# Altium PCB Gateway.PcbDoc (part 2 of 2)
Units mm, origin at the board's own origin, x right, y up, seen from the top; angles counter-clockwise.
Board outline 102.62 x 76.07 mm, 2 copper layers (Top Layer, Bottom Layer); 111 components, 97 nets, 483 pads, 101 vias.
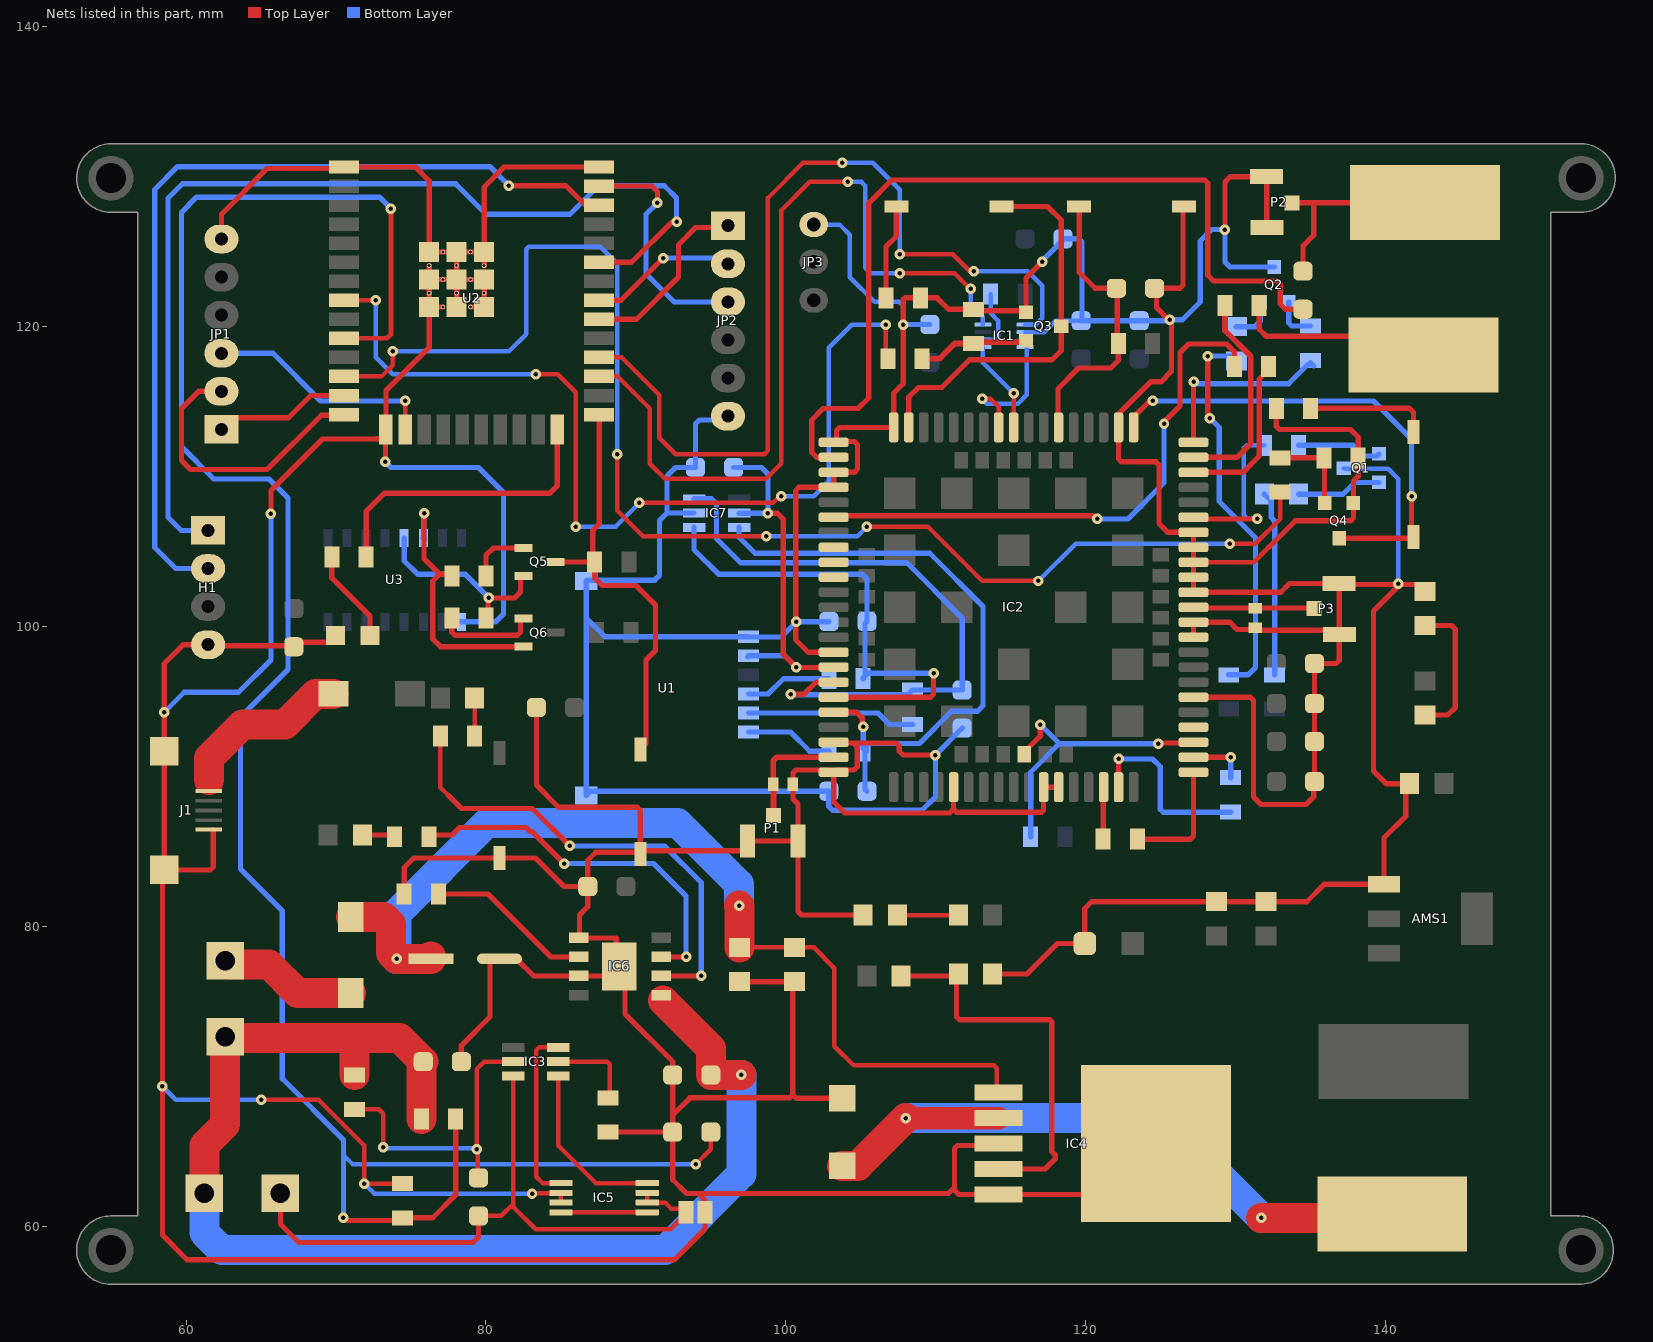
[diagram p2: the nets of this part, all layers, seen from the top]

## Via types
v1: diameter 0.7, hole 0.3, Top Layer to Bottom Layer, 101 vias

## Nets (pads, with @x,y where several pads share a name; then routed paths per layer and width w, separated by ;. In a path a pad name is that pad's centre, name@x,y a point inside that pad or via, vN(x,y) a via of type N, cw(c..) or ccw(c..) an arc to the next point about the centre after c; other vN are vias at no path point) (continued)
GND: AMS1.1 BOOT1.2 C1.1 C2.1 C3.1 C4.1 C5.1 C6.1 C7.1 C9.1 C10.2 C11.2 C12.2 C13.2 C14.2 C15.2 C16.2 C18.1 C19.1 C20.1 C24.1 C25.1 C26.2 C27.2 C28.2 C29.1 C30.1 C31.1 D3.1 EN1.2 H1.4 IC1.2 IC2.2 IC2.17 IC2.18 IC2.29 IC2.39 IC2.45 IC2.46 IC2.54 IC2.58 IC2.59 IC2.61 IC2.62 IC2.63 IC2.64 IC2.65 IC2.89 IC2.91 IC2.92 IC2.94 IC4.3 IC4.5 IC4.6 IC5.6 IC5.7 IC6.1 IC6.3 IC7.2 J1.5 J3.2 JP1.6 JP2.6 JP3.3 L.2 LED1.2 P1.2 P1.3 P2.2 P2.3 P3.2 P3.3 PW1.2 PW2.2 Q1.2 Q2.2 Q3.1 Q4.1 R11.1 R12.1 R13.1 R14.1 R26.1 R27.2 R29.1 R33.2 SW2.2 U1.5 U1.8 U2.1 U2.15 U2.38 U2.39_1 U2.39_2 U2.39_3 U2.39_4 U2.39_5 U2.39_6 U2.39_7 U2.39_8 U2.39_9 U2.39_10 U2.39_11 U2.39_12 U2.39_13 U2.39_14 U2.39_15 U2.39_16 U2.39_17 U2.39_18 U2.39_19 U2.39_20 U2.39_21 U3.1 | length 814.3
  Top Layer w0.3: v1(65.024,68.453) 68.834,68.453 71.882,65.405 v1(71.882,62.865) R29.1@74.422,62.865 ; v1(83.071,62.195) 83.096,62.22 84.979,62.22 IC5.6@85.004,62.245 IC5.7@85.004,61.595 ; IC2.63@127.19,104.296 131.207,104.296 132.207,105.296
  Top Layer w0.35: J1.5@58.848,83.781 61.611,83.781 61.816,83.986 J1.5@61.816,86.461 ; JP1.6@62.357,125.857 62.859,125.857 62.357,126.359 62.357,127.508 65.405,130.556 70.443,130.556 U2.1@70.548,130.661 75.293,130.661 76.213,129.742 U2.39_1@76.213,124.996 U2.39_10@77.131,124.996 U2.39_2@78.048,124.996 ; v1(65.659,107.542) 65.659,109.093 69.088,112.522 72.704,112.522 72.711,112.53 73.058,112.53 U2.15@73.306,112.778 ; LED1.2@69.977,99.428 69.517,98.968 67.487,98.968 C14.2@67.183,98.664 67.112,98.735 61.539,98.735 H1.4@61.468,98.806 59.817,98.806 58.547,97.536 v1(58.547,94.296) J1.5@58.547,91.694 J1.5@58.547,83.794 58.42,83.667 v1(58.42,69.342) 58.42,59.436 60.071,57.785 92.568,57.785 94.615,59.832 J3.2@94.615,60.945 94.615,61.749 94.169,62.195 ; v1(73.279,110.998) 73.306,111.025 U2.15@73.306,112.778 ; R33.2@74.549,82.169 74.549,83.947 75.184,84.582 EN1.2@80.899,84.582 83.312,84.582 85.217,82.677 C28.2@86.79,82.677 ; U2.39_12@76.213,124.079 U2.39_4@76.213,123.161 ; U2.39_20@77.131,121.326 U2.39_7@76.213,121.326 ; U2.39_8@78.048,121.326 U2.39_18@78.048,122.244 U2.39_5@78.048,123.161 ; C18.1@78.359,70.993 78.359,72.078 80.264,73.983 80.264,77.671 80.084,77.851 C16.2@80.899,77.851 82.049,77.851 83.192,76.708 IC6.3@86.175,76.708 88.265,76.708 IC6.3@88.9,77.343 ; U2.39_21@78.966,121.326 U2.39_9@79.883,121.326 U2.39_19@79.883,122.244 U2.39_6@79.883,123.161 U2.39_16@78.966,123.161 U2.39_5@78.048,123.161 ; U2.39_14@79.883,124.079 U2.39_3@79.883,124.996 ; C13.2@83.363,94.615 83.363,89.437 84.836,87.964 90.092,87.964 90.297,87.759 BOOT1.2@90.297,84.826 ; U2.38@87.548,130.661 81.215,130.661 79.883,129.33 U2.39_3@79.883,124.996 ; R27.2@88.138,66.294 C24.1@92.456,66.294 ; C19.1@96.901,76.327 C20.1@100.584,76.327 100.457,76.2 100.457,68.798 ; 102.551,62.195 94.169,62.195 ; 102.581,62.195 110.836,62.195 111.252,62.611 ; IC2.92@103.19,92.296 103.237,92.249 104.521,92.249 ; IC2.29@103.19,98.296 101.473,98.296 100.658,99.111 100.658,109.091 100.863,109.296 IC2.18@103.19,109.296 IC2.91@103.19,110.296 104.57,110.296 104.775,110.501 104.775,112.141 104.57,112.346 103.47,112.346 103.378,112.439 103.378,113.079 103.583,113.284 107.178,113.284 IC2.17@107.19,113.296 107.19,115.572 107.823,116.205 v1(107.823,120.145) 107.823,121.817 107.941,121.935 R13.1@108.966,121.935 110.094,121.935 110.856,121.173 R11.1@112.522,121.173 112.619,121.077 115.918,121.077 Q3.1@116.015,120.98 116.015,123.254 v1(117.094,124.333) ; D3.1@103.759,68.544 100.711,68.544 100.457,68.798 ; PW1.2@105.156,80.772 101.046,80.772 100.818,80.999 P1.2@100.818,85.722 ; v1(109.982,91.44) 107.827,91.44 107.569,91.698 107.569,92.044 107.364,92.249 104.521,92.249 ; IC2.39@111.19,89.296 111.19,87.835 ; R26.1@113.792,76.835 116.075,76.835 118.107,78.867 C15.2@119.939,78.867 119.939,81.204 120.396,81.661 C25.1@128.736,81.661 C26.2@132.038,81.661 134.747,81.661 135.904,82.818 AMS1.1@139.902,82.818 139.902,85.927 141.351,87.376 141.351,89.281 C27.2@141.605,89.535 140.034,89.535 139.192,90.377 139.192,101.044 v1@140.931,102.782 ; IC4.3@114.19,65.532 114.063,65.405 111.457,65.405 111.252,65.2 111.252,62.611 ; IC2.46@118.19,89.296 IC2.45@117.19,89.296 117.19,87.771 117.049,87.63 111.395,87.63 111.19,87.835 ; IC4.6@124.69,65.532 121.29,62.132 IC4.5@114.19,62.132 111.535,62.132 111.252,62.415 111.252,62.611 ; v1@125.563,120.436 124.714,121.285 124.714,122.443 C9.1@124.587,122.57 126.287,122.57 126.492,122.775 126.492,127.96 SW2.2@126.563,128.031 ; v1@125.73,120.269 125.73,117.045 125.017,116.332 124.333,116.332 122.19,114.189 IC2.2@122.19,113.296 122.19,111.203 122.395,110.998 124.683,110.998 124.888,110.793 124.888,106.887 125.479,106.296 IC2.65@127.19,106.296 IC2.64@127.19,105.296 IC2.63@127.19,104.296 IC2.62@127.19,103.296 IC2.61@127.19,102.296 133.013,102.296 133.594,102.877 P3.2@136.908,102.877 P3.2@136.913,102.872 ; IC2.54@127.19,95.296 130.986,95.296 131.191,95.091 131.191,88.646 131.699,88.138 134.695,88.138 135.203,88.646 135.203,89.625 C5.1@135.255,89.677 C4.1@135.255,92.344 C2.1@135.255,94.884 C3.1@135.255,97.551 136.708,97.551 136.913,97.756 P3.3@136.913,99.489 ; IC2.58@127.19,99.296 IC2.59@127.19,100.296 129.618,100.296 130.092,99.822 131.206,99.822 L.2@131.318,99.934 131.493,99.759 136.643,99.759 P3.3@136.913,99.489 ; v1(129.286,126.492) 129.286,129.667 129.634,130.015 P2.3@132.072,130.015 132.072,126.632 P2.2@132.077,126.627 ; 132.207,105.296 133.972,107.061 137.651,107.061 137.856,107.266 Q4.1@137.856,108.251 137.856,109.723 138.176,110.044 R12.1@138.176,111.267 138.176,112.649 137.668,113.157 132.92,113.157 132.715,113.362 R14.1@132.715,114.569 ; v1@140.843,102.822 136.963,102.822 P3.2@136.913,102.872 ; v1@140.97,102.822 142.161,102.822 PW2.2@142.621,102.362 ; U2.15@73.306,112.778 73.333,112.805 U2.15@73.333,113.151 73.333,115.751 76.213,118.631 U2.39_7@76.213,121.326 ; U2.39_7@76.213,121.326 U2.39_17@76.213,122.244 U2.39_4@76.213,123.161 ; U2.39_4@76.213,123.161 U2.39_15@77.131,123.161 U2.39_5@78.048,123.161 ; U2.39_5@78.048,123.161 U2.39_13@78.048,124.079 U2.39_2@78.048,124.996 ; U2.39_2@78.048,124.996 U2.39_11@78.966,124.996 U2.39_3@79.883,124.996 ; C28.2@86.79,82.677 86.79,84.426 87.327,84.963 90.16,84.963 BOOT1.2@90.297,84.826 ; C28.2@86.79,82.677 86.79,81.329 86.233,80.772 86.233,79.306 IC6.1@86.175,79.248 88.695,79.248 88.695,77.548 IC6.3@88.9,77.343 ; IC6.3@88.9,77.343 89.281,76.962 89.281,74.168 92.456,70.993 C29.1@92.456,70.104 92.456,67.437 ; BOOT1.2@90.297,84.826 90.522,85.051 97.106,85.051 97.431,85.376 P1.3@97.431,85.717 100.813,85.717 P1.2@100.818,85.722 ; C24.1@92.456,66.294 92.456,67.437 ; C24.1@92.456,66.294 92.456,63.119 93.38,62.195 94.169,62.195 ; 92.456,67.437 93.599,68.58 100.239,68.58 100.457,68.798 ; P1.2@100.818,85.722 100.818,88.167 100.472,88.513 L.2@100.472,89.488 100.472,90.233 100.677,90.438 102.78,90.438 103.056,90.162 IC2.94@103.19,90.296 ; IC2.94@103.19,90.296 103.19,88.326 103.935,87.581 110.936,87.581 111.19,87.835 ; IC2.94@103.19,90.296 103.333,90.438 104.535,90.438 104.757,90.66 104.757,92.013 104.521,92.249 ; P3.3@136.913,99.489 P3.2@136.913,102.872
  Bottom Layer w0.3: v1(58.42,69.342) 59.309,68.453 v1(65.024,68.453) ; v1(71.882,62.865) 72.552,62.195 v1(83.071,62.195) ; JP3.3@101.854,126.826 103.585,126.826 104.267,126.144 104.267,123.317 105.918,121.666 107.569,121.666 107.823,121.412 v1(107.823,120.145) ; IC1.2@115.959,119.645 117.232,119.645 117.998,120.411 C31.1@119.697,120.411 ; Q1.2@137.213,110.575 137.262,110.526 140.172,110.526 140.843,109.855 v1(140.843,102.87)
  Bottom Layer w0.35: v1(58.547,94.296) 59.882,95.631 63.5,95.631 65.659,97.79 v1(65.659,107.542) ; v1(73.279,110.998) 73.66,110.617 79.496,110.617 81.168,108.945 81.168,100.853 80.639,100.324 U3.1@78.359,100.324 ; IC7.2@93.877,107.584 92.075,107.584 ; JP2.6@96.139,114.046 95.885,113.792 94.234,113.792 93.98,113.538 C30.1@93.98,110.617 92.649,110.617 92.075,110.043 92.075,107.584 ; C12.2@102.87,100.345 102.855,100.33 v1(100.711,100.33) 99.695,99.314 97.53,99.314 U1.5@97.514,99.33 87.938,99.33 86.684,100.584 ; v1(107.823,120.145) 107.829,120.151 109.595,120.151 C1.1@109.601,120.157 ; C10.2@111.76,93.233 111.76,93.226 109.982,91.448 v1(109.982,91.44) 109.982,88.646 109.093,87.757 103.124,87.757 102.87,88.011 C11.2@102.87,89.027 86.961,89.027 U1.8@86.684,88.75 86.684,100.584 ; v1(117.094,124.333) 117.094,124.404 118.491,125.801 C6.1@118.491,125.872 119.556,125.872 119.761,125.667 119.761,120.475 C31.1@119.697,120.411 C7.1@123.571,120.411 125.539,120.411 v1(125.603,120.475) 126.444,120.475 127.635,121.666 127.635,125.73 128.397,126.492 v1(129.286,126.492) 129.286,124.316 129.618,123.984 Q2.2@132.588,123.984 ; 86.684,100.584 U1.8@86.684,103.05 86.741,103.107 91.252,103.107 91.567,103.422 91.567,107.076 92.075,107.584
IO2: R20.1 U2.24 | length 20.2
  Top Layer w0.35: R20.1@72.009,104.648 72.009,107.696 73.209,108.896 84.231,108.896 84.763,109.428 U2.24@84.763,113.151
IO_0: BOOT1.1 Q5.3 R18.2 U2.25 | length 28.9
  Top Layer w0.35: Q5.3@84.633,104.318 R18.2@87.249,104.318 ; U2.25@87.548,114.151 87.548,106.852 87.122,106.426 87.122,104.445 R18.2@87.249,104.318 ; BOOT1.1@90.114,92.009 BOOT1.1@90.297,91.826 90.678,92.207 90.678,97.79 91.313,98.425 91.313,101.444 90.014,102.743 87.757,102.743 87.249,103.251 R18.2@87.249,104.318
LOG_RX: IC2.22
LOG_TX: IC2.23
MISO: JP2.2 U2.31 | length 10.3
  Top Layer w0.35: U2.31@87.548,121.771 89.005,121.771 v1(91.821,124.587) ; JP2.2@95.868,123.935 JP2.2@96.139,124.206
  Bottom Layer w0.35: v1(91.821,124.587) 95.758,124.587 JP2.2@96.139,124.206
MISO2: JP1.2 U2.14 | length 19.2
  Top Layer w0.35: JP1.2@62.357,115.697 60.833,115.697 59.69,114.554 59.69,111.096 60.296,110.49 65.405,110.49 69.023,114.108 70.505,114.108 U2.14@70.548,114.151
MOSI: JP2.3 U2.37 | length 16.1
  Top Layer w0.35: U2.37@87.548,129.391 91.059,129.391 91.44,129.01 v1(91.44,128.27)
  Bottom Layer w0.35: v1(91.44,128.27) 90.678,127.508 90.678,123.543 92.555,121.666 JP2.3@96.139,121.666
MOSI2: JP1.3 U2.16 | length 15.5
  Top Layer w0.3: U2.16@74.603,113.151 v1(74.603,115.062)
  Top Layer w0.35: U2.16@74.603,113.151 U2.16@74.64,113.188
  Bottom Layer w0.35: JP1.3@62.357,118.237 65.786,118.237 68.961,115.062 v1(74.603,115.062)
NET: IC2.52
NetC8_1: C8.1 IC2.90 | length 58.7
  Top Layer w0.35: IC2.90@103.19,111.296 102.064,111.296 101.727,111.633 101.727,113.792 102.489,114.554 104.824,114.554 105.537,115.267 105.537,128.269 107.062,129.794 127.938,129.794 128.143,129.589 128.143,123.444 128.524,123.063 132.764,123.063 132.969,122.858 132.969,121.537 133.333,121.173 C8.1@134.493,121.173
NetC8_2: C8.2 L1.1 P2.1 | length 13.7
  Top Layer w0.35: P2.1@133.765,128.275 135.22,128.275 ; C8.2@134.493,123.713 134.493,125.401 135.203,126.111 135.203,128.258 135.22,128.275 ; L1.1@142.621,128.285 142.611,128.275 135.22,128.275
NetC9_2: C9.2 IC2.6 R9.1 SW2.1 | length 19.6
  Top Layer w0.35: IC2.6@118.19,113.296 118.147,113.339 118.147,115.87 119.531,117.254 121.666,117.254 122.174,117.762 R9.1@122.174,118.887 122.111,118.951 122.111,122.507 C9.2@122.047,122.57 120.635,122.57 119.563,123.642 SW2.1@119.563,128.031
NetC16_1: C16.1 C19.2 C20.2 D5.2 IC4.1 | length 67.4
  Top Layer w0.3: C19.2@96.901,78.613 C20.2@100.584,78.613 100.587,78.616 101.851,78.616 103.237,77.23 103.237,72.023 104.521,70.739 113.887,70.739 114.063,70.563 114.063,69.059 IC4.1@114.19,68.932
  Top Layer w2: D5.2@70.993,80.649 73.173,80.649 73.66,80.162 73.66,78.232 v1(74.041,77.851) 76.177,77.851 76.327,78.001 C16.1@76.327,77.851 ; v1(96.877,81.407) 96.901,81.383 C19.2@96.901,78.613
  Bottom Layer w2: v1(74.041,77.851) 74.041,80.899 80.068,86.926 92.779,86.926 96.877,82.828 v1(96.877,81.407)
NetC17_1: C17.1 IC3.6 IC5.2 IC5.3 J2.2 J3.1 | length 45.2
  Top Layer w0.3: C17.1@79.502,60.706 81.026,60.706 81.836,61.516 ; IC3.6@81.836,70.043 81.836,61.516 ; IC5.3@90.764,62.245 IC5.2@90.764,61.595 91.948,61.595 92.344,61.199 93.345,61.199 J3.1@93.345,60.945 93.345,60.579 93.061,60.579 92.299,59.817 83.312,59.817 81.836,61.293 81.836,61.516
  Top Layer w0.35: J2.2@66.294,62.23 66.294,60.149 67.515,58.928 79.121,58.928 79.502,59.309 C17.1@79.502,60.706
NetC17_2: C17.2 IC3.5 R23.1 | length 20.5
  Top Layer w0.3: R23.1@71.247,67.818 72.849,67.818 73.152,67.515 v1(73.152,65.278) ; C17.2@79.502,63.246 79.438,63.309 79.438,65.087 v1(79.375,65.151) 79.375,70.485 79.883,70.993 IC3.5@81.836,70.993
  Bottom Layer w0.3: v1(73.152,65.278) 73.215,65.215 79.311,65.215 v1(79.375,65.151)
NetC24_2: C24.2 R28.1 R29.2 U2.10 | length 142.3
  Top Layer w0.3: U2.10@70.548,119.231 73.384,119.231 73.66,119.507 ; v1(93.98,64.135) 94.996,65.151 C24.2@94.996,66.294
  Top Layer w0.35: v1(70.492,60.579) 70.679,60.392 74.235,60.392 R29.2@74.422,60.579 76.454,60.579 77.978,62.103 R28.1@77.978,67.183 ; 73.66,119.507 v1(73.66,127.889)
  Bottom Layer w0.3: 70.492,64.77 71.127,64.135 v1(93.98,64.135)
  Bottom Layer w0.35: v1(70.492,60.579) 70.492,64.77 70.492,65.779 66.421,69.85 66.421,81.042 63.627,83.836 63.627,93.98 66.802,97.155 66.802,108.585 65.532,109.855 61.849,109.855 59.69,112.014 59.69,127.635 60.706,128.651 72.898,128.651 v1(73.66,127.889)
NetC30_2: C30.2 IC2.30 IC7.5 U1.1 | length 24.6
  Top Layer w0.35: v1(98.806,107.569) 99.441,107.569 99.822,107.188 99.822,98.171 v1(100.711,97.282) 100.718,97.289 103.183,97.289 IC2.30@103.19,97.296
  Bottom Layer w0.35: C30.2@96.52,110.617 98.383,110.617 98.806,110.194 v1(98.806,107.569) 98.798,107.577 96.885,107.577 IC7.5@96.877,107.584 ; U1.1@97.438,97.984 U1.1@97.514,98.06 99.933,98.06 v1(100.711,97.282)
NetD1_1: D1.1 R1.2 | length 12.3
  Bottom Layer w0.35: D1.1@131.911,108.839 132.371,108.379 132.371,107.287 132.603,107.055 R1.2@132.603,96.79
NetD1_2: D1.2 Q1.3 | length 5.7
  Bottom Layer w0.35: D1.2@134.197,108.839 137.16,108.839 137.946,109.625 Q1.3@139.563,109.625
NetD2_1: D2.1 R2.2 | length 26.1
  Top Layer w0.35: v1(128.143,118.056) 128.143,114.046 v1(128.27,113.919)
  Bottom Layer w0.35: v1(128.143,118.056) 129.721,118.056 D2.1@130.048,117.729 ; v1(128.27,113.919) 128.905,113.284 128.905,108.351 131.318,105.938 131.318,97.282 130.826,96.79 R2.2@129.54,96.79
NetD2_2: D2.2 Q2.3 | length 3
  Bottom Layer w0.35: D2.2@130.048,120.015 131.271,120.015 131.638,120.381 Q2.3@131.638,121.634
NetD3_2: D3.2 IC4.2 L2.1 | length 47.5
  Top Layer w1.5: v1(107.999,67.232) IC4.2@114.19,67.232
  Top Layer w2: D3.2@103.759,64.044 104.811,64.044 v1(107.999,67.232) ; v1(131.699,60.579) 140.206,60.579 L2.1@140.444,60.817 L2.1@140.159,61.102
  Bottom Layer w2: v1(107.999,67.232) 125.046,67.232 v1(131.699,60.579)
NetD4_1: D4.1 J1.1 | length 11.9
  Top Layer w1: D4.1@69.592,95.774 D4.1@69.846,95.52
  Top Layer w2: 61.515,89.789 61.515,91.233 63.754,93.472 66.588,93.472 68.636,95.52 D4.1@69.846,95.52
NetD5_1: D5.1 J4.2 | length 9.3
  Top Layer w2: J4.2@62.611,77.724 62.861,77.474 65.528,77.474 67.441,75.561 D5.1@70.993,75.561
NetIC1_6: IC1.6 R3.1 | length 4.2
  Bottom Layer w0.3: IC1.6@113.149,119.145 114.009,119.145 114.173,119.309 114.173,120.396 113.665,120.904 R3.1@113.665,122.189
NetIC2_20: IC2.20 R34.1 | length 37.4
  Top Layer w0.35: IC2.20@103.19,107.296 103.299,107.405 120.465,107.405 120.682,107.188 v1(120.777,107.188) ; v1(125.222,113.538) 125.222,113.665 126.287,114.73 126.287,118.286 126.865,118.864 129.383,118.864 129.921,118.326 R34.1@129.921,117.363
  Bottom Layer w0.35: v1(120.777,107.188) 122.809,107.188 125.222,109.601 v1(125.222,113.538)
NetIC2_49: IC2.49 R6.2 | length 3.5
  Top Layer w0.35: R6.2@121.158,85.833 121.174,85.849 121.174,89.28 IC2.49@121.19,89.296
NetIC2_50: IC2.50 R5.2 | length 12.5
  Top Layer w0.35: IC2.50@122.19,89.296 v1(122.19,91.186)
  Bottom Layer w0.35: v1(122.19,91.186) 124.46,91.186 124.968,90.678 124.968,87.835 125.173,87.63 129.652,87.63 R5.2@129.667,87.645
NetIC2_60: IC2.60 L.1@131.318,101.234 P3.1 | length 8.1
  Top Layer w0.35: IC2.60@127.19,101.296 127.24,101.246 135.203,101.246 P3.1@135.22,101.229
NetIC2_93: IC2.93 L.1@99.172,89.488 P1.1 | length 7.9
  Top Layer w0.381: P1.1@99.171,87.411 99.171,89.487 99.16,89.476 99.16,91.073 99.383,91.296 IC2.93@103.19,91.296 IC2.93@103.174,91.312 ; L.1@99.172,89.488 L.1@99.188,89.504
NetIC2_95: IC2.95 R6.1 | length 8.1
  Top Layer w0.35: R6.1@123.444,85.833 126.985,85.833 127.19,86.038 IC2.95@127.19,90.296
NetIC2_96: IC2.96 R5.1 | length 3.8
  Top Layer w0.35: IC2.96@127.19,91.296 v1(129.667,91.296)
  Bottom Layer w0.35: R5.1@129.667,89.931 v1(129.667,91.296)
NetIC2_97: IC2.97 IC2.116 R7.2 | length 20.2
  Top Layer w0.35: IC2.116@115.89,91.496 115.89,91.626 116.967,92.703 v1(116.967,93.472) ; v1(124.841,92.202) 124.888,92.249 127.143,92.249 IC2.97@127.19,92.296
  Bottom Layer w0.35: R7.2@116.332,85.994 116.332,90.297 118.237,92.202 ; v1(116.967,93.472) 118.237,92.202 ; v1(124.841,92.202) 118.237,92.202
NetIC2_98: IC2.98 R34.2 | length 11.1
  Top Layer w0.35: IC2.98@127.19,110.296 130.489,110.296 131.572,111.379 131.572,116.53 132.207,117.165 R34.2@132.207,117.363
NetIC2_99: IC2.99 R4.2 | length 14.1
  Top Layer w0.381: IC2.99@127.19,111.296 130.092,111.296 131.007,112.211 131.007,118.04 129.286,119.761 R4.2@129.286,121.427
NetIC3_1: IC3.1 IC5.4 | length 11.6
  Top Layer w0.3: IC3.1@84.836,70.043 84.836,65.386 87.327,62.895 IC5.4@90.764,62.895
NetIC3_2: IC3.2 R27.1 | length 5.8
  Top Layer w0.3: IC3.2@84.836,70.993 88.089,70.993 88.265,70.817 88.265,68.707 R27.1@88.138,68.58
NetIC3_3: IC3.3 IC5.5 | length 11.8
  Top Layer w0.3: IC3.3@84.836,71.943 83.539,71.943 83.363,71.767 83.363,63.306 83.774,62.895 IC5.5@85.004,62.895
NetIC4_4: IC4.4 R24.1 R26.2 | length 26.2
  Top Layer w0.35: R24.1@107.696,76.708 111.379,76.708 111.379,73.992 111.584,73.787 117.599,73.787 117.729,73.657 117.729,65.021 117.962,64.788 117.962,64.498 117.296,63.832 IC4.4@114.19,63.832
NetIC5_1: IC5.1 IC5.8 | length 5.8
  Top Layer w0.3: IC5.8@85.004,60.945 IC5.1@90.764,60.945
NetIC6_2: IC6.2 R33.1 | length 11.1
  Top Layer w0.35: R33.1@76.835,82.169 80.137,82.169 84.328,77.978 IC6.2@86.175,77.978
NetIC6_6: IC6.6 R32.2 | length 32.5
  Top Layer w0.3: R32.2@76.962,92.71 76.962,89.281 77.47,88.773
  Top Layer w0.35: R32.2@76.835,92.837 R32.2@76.962,92.71 ; 77.47,88.773 78.359,87.884 83.09,87.884 v1(85.598,85.376) ; IC6.6@91.675,76.708 v1(94.361,76.708)
  Bottom Layer w0.35: v1(85.598,85.376) 91.916,85.376 94.361,82.931 v1(94.361,76.708)
NetIC6_7: IC6.7 R31.2 | length 25
  Top Layer w0.35: R31.2@76.2,85.994 76.312,86.106 77.724,86.106 78.232,86.614 82.664,86.614 82.931,86.347 83.071,86.347 v1(85.217,84.201) ; IC6.7@91.675,77.978 v1(93.345,77.978)
  Bottom Layer w0.35: v1(85.217,84.201) 91.186,84.201 93.345,82.042 v1(93.345,77.978)
NetL1_2: L1.2 R4.1 | length 13.3
  Top Layer w0.35: R4.1@131.572,121.427 131.572,119.839 132.031,119.38 141.254,119.38 L1.2@142.525,118.109
NetLED1_1: LED1.1 R20.2 | length 6.3
  Top Layer w0.35: R20.2@69.723,104.648 69.723,103.251 72.263,100.711 LED1.1@72.263,99.428
NetLED2_2: LED2.2 R32.1 | length 2.5
  Top Layer w0.3: R32.1@79.248,92.71 LED2.2@79.248,95.25
NetLED3_2: LED3.2 R31.1 | length 2.2
  Top Layer w0.35: LED3.2@71.755,86.106 73.802,86.106 R31.1@73.914,85.994
NetPW1_1: PW1.1 R25.2 | length 4.1
  Top Layer w0.3: PW1.1@107.442,80.772 R25.2@111.506,80.772
NetPW2_1: PW2.1 R30.1 | length 9.6
  Top Layer w0.35: R30.1@142.621,94.107 144.145,94.107 144.653,94.615 144.653,99.822 144.399,100.076 PW2.1@142.621,100.076
NetQ1_1: Q1.1 R36.2 | length 5.7
  Bottom Layer w0.35: R36.2@134.197,112.099 137.844,112.099 138.557,111.386 139.424,111.386 Q1.1@139.563,111.525
NetQ2_1: Q2.1 R35.2 | length 2.9
  Bottom Layer w0.35: Q2.1@133.538,121.634 133.538,120.258 133.743,120.053 R35.2@135.001,120.053
NetQ3_3: Q3.3 R8.1 R11.2 | length 7.4
  Top Layer w0.381: R8.1@109.093,117.871 110.251,117.871 111.267,118.887 R11.2@112.522,118.887 112.618,118.984 115.919,118.984 Q3.3@116.015,119.08
NetQ4_3: Q4.3 R10.1 R12.2 | length 6
  Top Layer w0.35: R10.1@132.969,111.267 R12.2@135.89,111.267 135.923,111.234 135.923,108.284 Q4.3@135.956,108.251
NetQ5_1: Q5.1 R21.2 | length 4.1
  Top Layer w0.35: R21.2@80.01,103.378 80.01,104.775 80.493,105.258 Q5.1@82.499,105.258
NetQ5_2: Q5.2 R22.1 U3.13 | length 13.1
  Top Layer w0.35: R22.1@80.01,100.584 80.137,100.711 80.137,101.854 v1(80.2,101.917) 81.9,101.917 82.296,102.313 82.296,103.286 82.388,103.378 Q5.2@82.499,103.378
  Bottom Layer w0.35: U3.13@74.549,105.924 74.549,104.394 75.438,103.505 78.613,103.505 v1(80.2,101.917)
NetQ6_1: Q6.1 R22.2 | length 6.8
  Top Layer w0.35: R22.2@77.724,100.584 77.724,99.633 77.929,99.428 82.091,99.428 82.296,99.633 82.296,100.458 82.388,100.55 Q6.1@82.499,100.55
NetQ6_2: Q6.2 R21.1 U3.14 | length 18.1
  Top Layer w0.35: v1(75.873,107.569) 75.873,104.545 76.913,103.505 ; R21.1@77.597,103.251 R21.1@77.724,103.378 77.597,103.505 76.913,103.505 ; Q6.2@82.499,98.67 76.971,98.67 76.454,99.187 76.454,103.046 76.913,103.505
  Bottom Layer w0.35: v1(75.873,107.569) 75.846,107.542 75.846,105.951 U3.14@75.819,105.924 U3.14@75.882,105.86
NetR8_2: R8.2 U2.8 | length 63.2
  Top Layer w0.3: U2.8@70.548,121.771 70.78,121.539 71.013,121.771 v1(72.644,121.771) ; v1(83.311,116.84) 84.78,116.84 85.979,115.641 v1(85.979,106.68) ; v1(90.219,108.253) 90.235,108.269 99.144,108.269 99.587,108.712 v1(99.695,108.712) ; v1(106.68,120.142) 106.68,117.998 R8.2@106.807,117.871
  Bottom Layer w0.3: v1(72.644,121.771) 72.644,117.983 73.787,116.84 v1(83.311,116.84) ; v1(85.979,106.68) 88.646,106.68 v1(90.219,108.253) ; v1(99.695,108.712) 101.854,108.712 102.855,109.713 102.855,118.603 104.394,120.142 v1(106.68,120.142)
NetR10_2: R10.2 U2.12 | length 92.8
  Top Layer w0.3: U2.12@70.548,116.691 73.03,116.691 73.787,117.448 v1(73.787,118.364) ; v1(88.773,111.506) 88.773,107.741 90.469,106.045 v1(98.679,106.045) ; v1(105.41,106.68) 109.474,106.68 113.104,103.05 v1(116.84,103.05) ; v1(129.618,105.537) 131.318,105.537 132.969,107.188 R10.2@132.969,108.981
  Bottom Layer w0.3: v1(73.787,118.364) 81.534,118.364 82.677,119.507 82.677,125.173 82.853,125.349 87.63,125.349 88.773,124.206 v1(88.773,111.506) ; v1(98.679,106.045) 104.775,106.045 v1(105.41,106.68) ; v1(116.84,103.05) 119.327,105.537 v1(129.618,105.537)
NetR13_2: R13.2 SW1.2 | length 6.4
  Top Layer w0.35: R13.2@106.68,121.935 106.68,125.349 107.371,126.04 SW1.2@107.371,128.031
NetR14_2: R14.2 SW3.2 | length 8.3
  Top Layer w0.35: R14.2@135.001,114.569 141.59,114.569 141.859,114.3 SW3.2@141.859,112.989
NetR15_2: R15.2 U1.7 | length 11.3
  Bottom Layer w0.35: U1.7@97.514,94.25 106.156,94.25 106.919,93.487 R15.2@108.458,93.487
NetR16_2: R16.2 U1.3 | length 5.9
  Bottom Layer w0.35: U1.3@97.514,92.98 100.314,92.98 101.6,91.694 R16.2@102.87,91.694
NetR17_2: R17.2 U1.2 | length 5.8
  Bottom Layer w0.35: U1.2@97.514,95.52 98.822,95.52 99.837,96.535 R17.2@102.87,96.535
POWER_ON: IC2.1 Q4.2 SW3.1 | length 32.3
  Top Layer w0.35: IC2.1@123.19,113.296 123.19,113.978 124.274,115.062 v1(124.46,115.062) ; Q4.2@136.906,105.901 141.771,105.901 SW3.1@141.859,105.989 141.732,106.116 v1(141.732,108.712)
  Bottom Layer w0.35: v1(124.46,115.062) 139.192,115.062 141.732,112.522 v1(141.732,108.712)
RESET: IC2.16 Q3.2 SW1.1 | length 26.6
  Top Layer w0.35: IC2.16@108.19,113.296 108.19,115.302 108.839,115.951 110.396,115.951 112.25,117.805 117.748,117.805 118.365,118.423 118.365,120.005 118.34,120.03 Q3.2@118.365,120.03 118.365,127.126 117.46,128.031 SW1.1@114.371,128.031
RX: IC1.8 U2.27 | length 56.8
  Top Layer w0.3: U2.27@87.548,116.691 87.57,116.713 88.773,116.713 90.932,114.554 90.932,110.871 91.948,109.855 98.668,109.855 99.695,110.882 99.695,127.762 101.6,129.667 v1(104.14,129.667) ; v1(107.59,123.571) 111.252,123.571 112.268,122.555 v1(112.343,122.555)
  Bottom Layer w0.3: v1(104.14,129.667) 105.029,129.667 105.283,129.413 105.283,123.93 105.642,123.571 v1(107.59,123.571) ; v1(112.343,122.555) 112.343,121.464 113.149,120.658 IC1.8@113.149,120.145
SCK: JP2.1 U2.30 | length 12.4
  Top Layer w0.35: U2.30@87.548,120.501 90.021,120.501 92.837,123.317 92.837,125.476 93.98,126.619 96.012,126.619 JP2.1@96.139,126.746
SCK2: JP1.1 U2.13 | length 9.1
  Top Layer w0.35: JP1.1@62.357,113.157 63.134,113.934 66.827,113.934 68.314,115.421 U2.13@70.548,115.421
SCL: H1.2 U2.36 | length 59.5
  Top Layer w0.35: v1(81.534,129.413) 85.344,129.413 86.688,128.069 87.601,128.069 U2.36@87.548,128.121
  Bottom Layer w0.35: H1.2@61.468,103.886 59.309,103.886 57.912,105.283 57.912,129.159 59.436,130.683 80.264,130.683 v1(81.534,129.413)
SDA: H1.1 U2.33 | length 68.5
  Top Layer w0.35: U2.33@87.548,124.311 89.715,124.311 92.403,127 v1(92.71,127)
  Bottom Layer w0.35: H1.1@61.468,106.426 59.675,106.426 58.801,107.3 58.801,128.573 59.768,129.54 77.978,129.54 80.01,127.508 85.598,127.508 87.503,129.413 91.895,129.413 92.71,128.598 v1(92.71,127)
SIM_PPS: IC2.100 R35.1 | length 12.7
  Top Layer w0.35: IC2.100@127.19,112.296 v1(127.19,116.334)
  Bottom Layer w0.35: v1(127.19,116.334) 127.285,116.334 127.408,116.211 133.539,116.211 134.803,117.475 R35.1@135.001,117.475 ; R35.1@135.001,117.602 R35.1@135.206,117.397
SIM_RX: IC1.4 IC2.10 | length 9.2
  Top Layer w0.3: v1(113.09,115.189) 113.665,115.189 114.19,114.664 IC2.10@114.19,113.296
  Bottom Layer w0.3: v1(113.09,115.189) 113.409,114.87 115.48,114.87 116.078,115.468 IC1.4@116.078,118.618
SIM_TX: IC1.5 IC2.9 | length 6.2
  Top Layer w0.3: IC2.9@115.19,113.296 v1(115.19,115.57)
  Bottom Layer w0.3: IC1.5@113.149,118.645 113.149,117.611 v1(115.19,115.57)
STATUS: IC2.66 R36.1 | length 11.2
  Top Layer w0.35: IC2.66@127.19,107.296 127.228,107.296 127.336,107.188 v1(131.445,107.188)
  Bottom Layer w0.3: v1(131.445,107.188) 130.81,107.188 130.556,107.442 130.556,111.923 130.732,112.099 R36.1@131.911,112.099
TX: IC1.1 U2.28 | length 61.1
  Top Layer w0.3: U2.28@87.548,117.961 89.064,117.961 91.567,115.458 91.567,112.598 92.659,111.506 98.553,111.506 98.806,111.759 98.806,128.599 101.144,130.937 v1(103.759,130.937) ; v1@107.696,124.841 111.125,124.841 112.268,123.698 v1(112.522,123.698)
  Bottom Layer w0.3: v1(103.759,130.937) 105.791,130.937 107.59,129.138 v1(107.59,124.841) ; v1(112.522,123.698) 116.135,123.698 117.094,122.739 117.094,120.565 116.675,120.145 IC1.1@115.959,120.145
USIM_CLK: C12.1 IC2.32 IC7.1 R17.1 | length 33.4
  Top Layer w0.35: IC2.32@103.19,95.296 109.65,95.296 109.855,95.501 v1(109.855,96.901)
  Bottom Layer w0.35: IC7.1@93.877,106.634 93.877,105.132 95.504,103.505 105.078,103.505 105.41,103.173 C12.1@105.41,100.345 105.283,100.218 R17.1@105.283,96.703 ; R17.1@105.156,96.535 105.156,96.576 R17.1@105.283,96.703 ; v1(109.855,96.901) 105.481,96.901 R17.1@105.283,96.703
USIM_DATA: C10.1 IC2.31 IC7.3 R15.1 | length 42.1
  Top Layer w0.35: v1(100.33,95.504) 101.219,95.504 102.011,96.296 IC2.31@103.19,96.296
  Bottom Layer w0.35: IC7.3@93.877,108.534 95.047,108.534 95.377,108.204 95.377,105.869 96.979,104.267 108.077,104.267 111.76,100.584 C10.1@111.76,95.773 R15.1@108.458,95.773 108.146,95.462 100.372,95.462 v1(100.33,95.504)
USIM_RESET: C11.1 IC2.33 IC7.6 R16.1 | length 41.8
  Top Layer w0.35: IC2.33@103.19,94.296 104.715,94.296 105.089,93.922 105.089,93.412 v1(105.156,93.345)
  Bottom Layer w0.35: IC7.6@96.877,106.634 96.877,105.964 97.939,104.902 109.601,104.902 113.149,101.354 113.149,94.734 112.776,94.361 111.061,94.361 108.917,92.217 105.481,92.217 105.382,92.119 105.382,91.666 105.156,91.892 v1(105.156,93.345) ; R16.1@105.283,91.567 105.283,89.154 C11.1@105.41,89.027
VBAT: C18.2 C29.2 IC6.5 J2.1 J4.1 R23.2 R28.2 | length 86.5
  Top Layer w2: J2.1@61.214,62.992 61.214,65.405 62.611,66.802 J4.1@62.611,72.644 62.67,72.585 71.12,72.585 ; R23.2@71.247,70.104 71.247,72.458 71.12,72.585 ; R28.2@75.692,67.183 75.692,70.866 C18.2@75.819,70.993 74.227,72.585 71.12,72.585 ; 91.821,75.057 94.996,71.882 C29.2@94.996,70.104 v1(97.028,70.104)
  Bottom Layer w2: J2.1@61.214,62.23 61.214,59.592 62.386,58.42 91.948,58.42 97.028,63.5 v1(97.028,70.104)
VBUS: IC2.24
pads on no net: IC2.3 IC2.4 IC2.7 IC2.8 IC2.11 IC2.12 IC2.13 IC2.14 IC2.19 IC2.21 IC2.25 IC2.26 IC2.34 IC2.35 IC2.36 IC2.37 IC2.38 IC2.40 IC2.41 IC2.42 IC2.43 IC2.44 IC2.47 IC2.48 IC2.51 IC2.53 IC2.67 IC2.68 IC2.69 IC2.70 IC2.71 IC2.72 IC2.73 IC2.74 IC2.75 IC2.76 IC2.77 IC2.78 IC2.79 IC2.80 IC2.81 IC2.82 IC2.83 IC2.84 IC2.85 IC2.86 IC2.87 IC2.88 IC2.101 IC2.102 IC2.103 IC2.104 IC2.105 IC2.106 IC2.107 IC2.108 IC2.109 IC2.110 IC2.111 IC2.112 IC2.113 IC2.114 IC2.115 IC2.117 IC2.118 IC2.119 IC2.120 IC2.121 IC2.122 IC2.123 IC2.124 IC3.4 IC7.4 J1.4 U1.6 U2.4 U2.5 U2.6 U2.7 U2.9 U2.17 U2.18 U2.19 U2.20 U2.21 U2.22 U2.26 U2.32 U3.7 U3.8 U3.9 U3.10 U3.11 U3.12 U3.15

## Polygon pours and split planes (outlines as drawn)
no net on Top Layer "NONET_L01_P016" (solid, pour order 16): 150.876,127.762
no net on Top Layer "NONET_L01_P014" (solid, pour order 14): 56.896,60.579
no net on Top Layer "NONET_L01_P012" (solid, pour order 12): 150.876,60.452
no net on Top Layer "NONET_L01_P010" (solid, pour order 10): 150.876,60.579
no net on Top Layer "NONET_L01_P008" (solid, pour order 8): 56.896,56.261
no net on Bottom Layer "NONET_L02_P026" (solid, pour order 26): 56.896,60.579
no net on Bottom Layer "NONET_L02_P024" (solid, pour order 24): 56.896,132.08 56.896,56.261
no net on Bottom Layer "NONET_L02_P022" (solid, pour order 22): 57.023,132.08

## Keep-outs
Keep-Out Layer:
  lines w0.254: 152.781,60.579 150.876,60.579 150.876,127.585 ; 152.908,60.579 cw(c152.908,58.42) 152.908,56.261 150.876,56.261 54.991,56.261 cw(c54.991,58.42) 54.991,60.579 56.896,60.579 56.896,60.706 56.896,127.762 55.245,127.762 54.991,127.762 cw(c54.991,129.921) 54.991,132.08 55.245,132.08 153.035,132.08 cw(c153.035,129.921) 153.035,127.762 150.876,127.762 150.876,127.585 ; 150.876,127.585 150.876,127.585

## Text inside footprints (layer, text, board x,y; h text height)
C16: Top Overlay "+" at 76.463,78.176 h0.89
U2: Mechanical 13 "ANTENNA" at 73.048,134.401 h1.78